# Altium PCB Universal_PCB.PcbDoc (part 1 of 3) (continued)
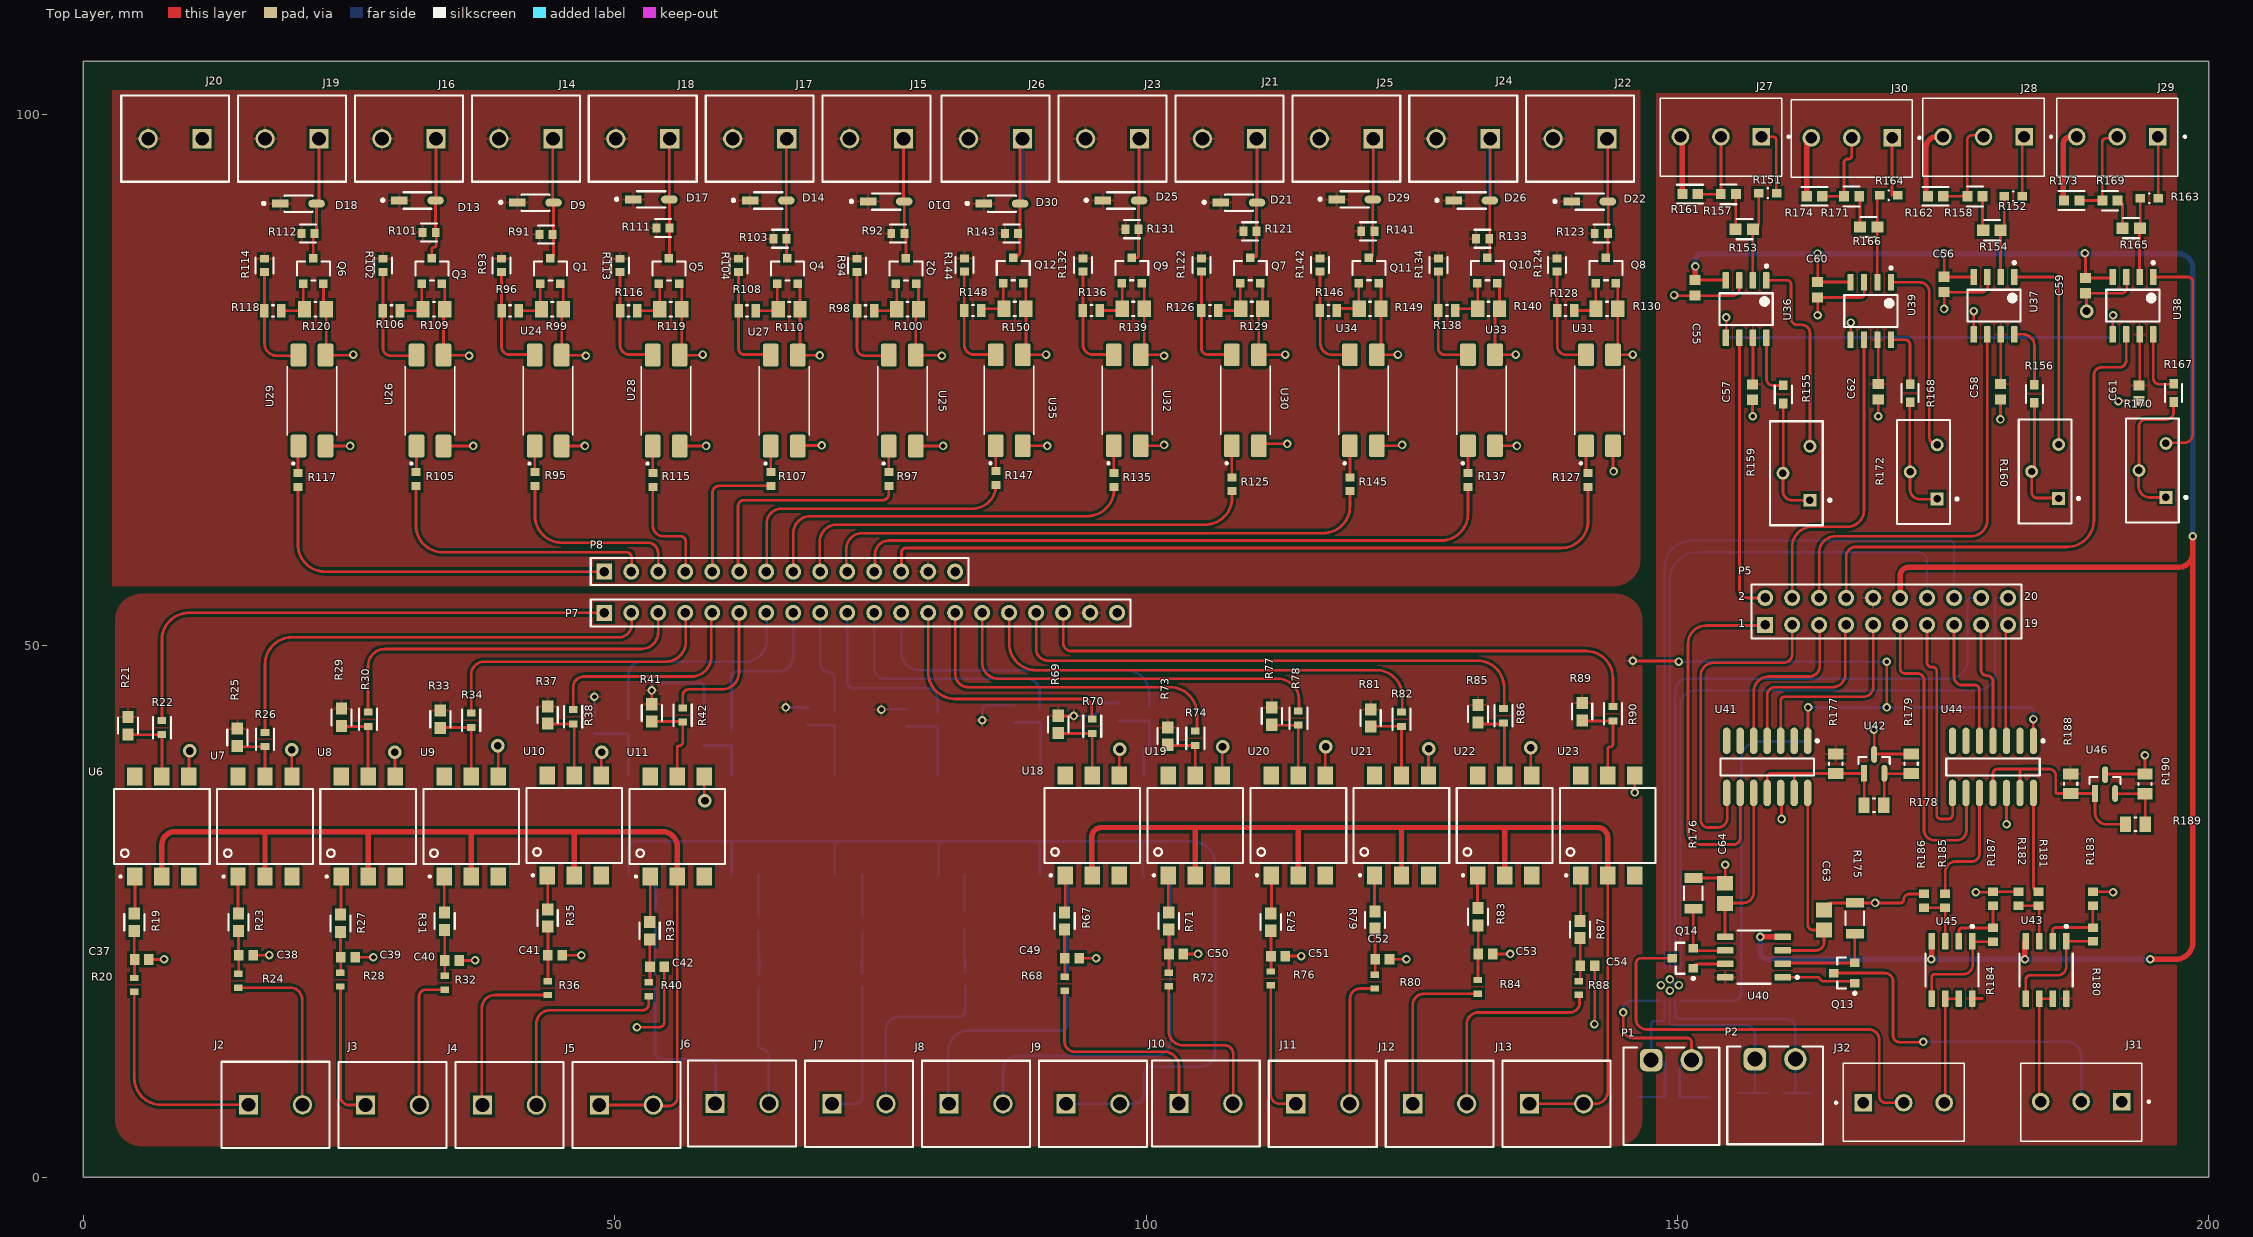
[diagram p0: Top Layer view]
## Components (designator, comment, footprint, x,y, rotation, side; value= is the part's Value field where it differs from the comment) (continued)
R82 "RC0603FR-071KL" FP-RC0603-0_55-IPC_C 124.04,43.1 r90 top
R83 "CRCW06033K00FKEA" FP-CRCW0603-e3-IPC_A 131.24,24.5 r90 top
R84 "RT0603DRE071KL" RESC1608X55X25LL10T15 131.24,17.9 r90 top value=1k
R85 "CRCW06033K00FKEA" FP-CRCW0603-e3-IPC_A 131.24,43.6 r90 top
R86 "RC0603FR-071KL" FP-RC0603-0_55-IPC_C 133.64,43.423 r90 top
R87 "CRCW06033K00FKEA" FP-CRCW0603-e3-IPC_A 140.84,23.3 r90 top
R88 "RT0603DRE071KL" RESC1608X55X25LL10T15 140.74,17.8 r90 top value=1k
R89 "CRCW06033K00FKEA" FP-CRCW0603-e3-IPC_A 141.04,43.8 r90 top
R90 "RC0603FR-071KL" FP-RC0603-0_55-IPC_C 143.94,43.6 r90 top
R91 "CRCW06035K10FKEA" FP-CRCW0603-e3-IPC_C 43.55,88.7 r180 top
R92 "CRCW06035K10FKEA" FP-CRCW0603-e3-IPC_C 76.65,88.8 r180 top
R93 "CRCW06035K10FKEA" FP-CRCW0603-e3-IPC_C 39.355,85.8 r90 top
R94 "CRCW06035K10FKEA" FP-CRCW0603-e3-IPC_C 72.814,85.8 r90 top
R95 "ERJ-3EKF2200V" RESC1608X55X30LL15T15 42.5,65.7 r90 top
R96 "RC0805FR-07470RL" RESC2013X60X35LL10T20 40.155,81.522 r0 top
R97 "ERJ-3EKF2200V" RESC1608X55X30LL15T15 75.8,65.7 r90 top
R98 "RC0805FR-07470RL" RESC2013X60X35LL10T20 73.614,81.522 r0 top
R99 "CRCW0805100KJNEA" RESC2013X50X30ML20T20 44.137,81.672 r180 top value=100K
R100 "CRCW0805100KJNEA" RESC2013X50X30ML20T20 77.568,81.672 r180 top value=100K
R101 "CRCW06035K10FKEA" FP-CRCW0603-e3-IPC_C 32.55,88.9 r180 top
R102 "CRCW06035K10FKEA" FP-CRCW0603-e3-IPC_C 28.203,85.8 r90 top
R103 "CRCW06035K10FKEA" FP-CRCW0603-e3-IPC_C 65.565,88.3 r180 top
R104 "CRCW06035K10FKEA" FP-CRCW0603-e3-IPC_C 61.661,85.8 r90 top
R105 "ERJ-3EKF2200V" RESC1608X55X30LL15T15 31.3,65.7 r90 top
R106 "RC0805FR-07470RL" RESC2013X60X35LL10T20 29.003,81.522 r0 top
R107 "ERJ-3EKF2200V" RESC1608X55X30LL15T15 64.7,65.7 r90 top
R108 "RC0805FR-07470RL" RESC2013X60X35LL10T20 62.461,81.522 r0 top
R109 "CRCW0805100KJNEA" RESC2013X50X30ML20T20 32.994,81.672 r180 top value=100K
R110 "CRCW0805100KJNEA" RESC2013X50X30ML20T20 66.425,81.672 r180 top value=100K
R111 "CRCW06035K10FKEA" FP-CRCW0603-e3-IPC_C 54.55,89.3 r180 top
R112 "CRCW06035K10FKEA" FP-CRCW0603-e3-IPC_C 21.15,88.8 r180 top
R113 "CRCW06035K10FKEA" FP-CRCW0603-e3-IPC_C 50.508,85.8 r90 top
R114 "CRCW06035K10FKEA" FP-CRCW0603-e3-IPC_C 17.05,85.8 r90 top
R115 "ERJ-3EKF2200V" RESC1608X55X30LL15T15 53.6,65.6 r90 top
R116 "RC0805FR-07470RL" RESC2013X60X35LL10T20 51.308,81.522 r0 top
R117 "ERJ-3EKF2200V" RESC1608X55X30LL15T15 20.2,65.6 r90 top
R118 "RC0805FR-07470RL" RESC2013X60X35LL10T20 17.85,81.522 r0 top
R119 "CRCW0805100KJNEA" RESC2013X50X30ML20T20 55.281,81.672 r180 top value=100K
R120 "CRCW0805100KJNEA" RESC2013X50X30ML20T20 21.85,81.672 r180 top value=100K
R121 "CRCW06035K10FKEA" FP-CRCW0603-e3-IPC_C 109.79,89 r180 top
R122 "CRCW06035K10FKEA" FP-CRCW0603-e3-IPC_C 105.217,85.828 r90 top
R123 "CRCW06035K10FKEA" FP-CRCW0603-e3-IPC_C 142.85,88.8 r180 top
R124 "CRCW06035K10FKEA" FP-CRCW0603-e3-IPC_C 138.675,85.828 r90 top
R125 "ERJ-3EKF2200V" RESC1608X55X30LL15T15 108.1,65.2 r90 top
R126 "RC0805FR-07470RL" RESC2013X60X35LL10T20 106.017,81.55 r0 top
R127 "ERJ-3EKF2200V" RESC1608X55X30LL15T15 141.6,65.6 r90 top
R128 "RC0805FR-07470RL" RESC2013X60X35LL10T20 139.475,81.55 r0 top
R129 "CRCW0805100KJNEA" RESC2013X50X30ML20T20 109.944,81.7 r180 top value=100K
R130 "CRCW0805100KJNEA" RESC2013X50X30ML20T20 143.375,81.7 r180 top value=100K
R131 "CRCW06035K10FKEA" FP-CRCW0603-e3-IPC_C 98.675,89.2 r180 top
R132 "CRCW06035K10FKEA" FP-CRCW0603-e3-IPC_C 94.064,85.828 r90 top
R133 "CRCW06035K10FKEA" FP-CRCW0603-e3-IPC_C 131.675,88.3 r180 top
R134 "CRCW06035K10FKEA" FP-CRCW0603-e3-IPC_C 127.522,85.828 r90 top
R135 "ERJ-3EKF2200V" RESC1608X55X30LL15T15 97,65.6 r90 top
R136 "RC0805FR-07470RL" RESC2013X60X35LL10T20 94.864,81.55 r0 top
R137 "ERJ-3EKF2200V" RESC1608X55X30LL15T15 130.3,65.6 r90 top
R138 "RC0805FR-07470RL" RESC2013X60X35LL10T20 128.322,81.55 r0 top
R139 "CRCW0805100KJNEA" RESC2013X50X30ML20T20 98.8,81.7 r180 top value=100K
R140 "CRCW0805100KJNEA" RESC2013X50X30ML20T20 132.231,81.7 r180 top value=100K
R141 "CRCW06035K10FKEA" FP-CRCW0603-e3-IPC_C 120.875,89 r180 top
R142 "CRCW06035K10FKEA" FP-CRCW0603-e3-IPC_C 116.37,85.828 r90 top
R143 "CRCW06035K10FKEA" FP-CRCW0603-e3-IPC_C 87.35,88.8 r180 top
R144 "CRCW06035K10FKEA" FP-CRCW0603-e3-IPC_C 82.911,85.828 r90 top
R145 "ERJ-3EKF2200V" RESC1608X55X30LL15T15 119.2,65.2 r90 top
R146 "RC0805FR-07470RL" RESC2013X60X35LL10T20 117.17,81.55 r0 top
R147 "ERJ-3EKF2200V" RESC1608X55X30LL15T15 85.9,65.8 r90 top
R148 "RC0805FR-07470RL" RESC2013X60X35LL10T20 83.711,81.55 r0 top
R149 "CRCW0805100KJNEA" RESC2013X50X30ML20T20 121.088,81.7 r180 top value=100K
R150 "CRCW0805100KJNEA" RESC2013X50X30ML20T20 87.657,81.7 r180 top value=100K
R151 "RC0603FR-07100KL" FP-RC0603-0_55-MFG 158.5,92.6 r180 top
R152 "RC0603FR-07100KL" FP-RC0603-0_55-MFG 181.6,92.3 r180 top
R153 "CRCW060350R0FKEA" FP-CRCW0603-e3-IPC_A 156.3,89.2 r0 top
R154 "CRCW060350R0FKEA" FP-CRCW0603-e3-IPC_A 179.6,89.1 r0 top
R155 "RT0603DRE07560RL" FP-RT0603-MFG 159.975,73.65 r270 top value=560Ω
R156 "RT0603DRE07560RL" FP-RT0603-MFG 183.6,73.7 r270 top value=560Ω
R157 "CRCW06034K12FKEA" FP-CRCW0603-e3-IPC_B 154.8,92.5 r0 top
R158 "CRCW06034K12FKEA" FP-CRCW0603-e3-IPC_B 178,92.3 r0 top
R159 "3296Y-1-103LF" FP-3296Y-MFG 161.2,66.235 r0 top
R160 "3296Y-1-103LF" FP-3296Y-MFG 184.6,66.4 r0 top
R161 "CRCW060320R0FKEAHP" FP-CRCW0603-HPe3-IPC_B 151.2,92.5 r180 top
R162 "CRCW060320R0FKEAHP" FP-CRCW0603-HPe3-IPC_B 174.3,92.3 r180 top
R163 "RC0603FR-07100KL" FP-RC0603-0_55-MFG 194.4,92.1 r180 top
R164 "RC0603FR-07100KL" FP-RC0603-0_55-MFG 169.9,92.4 r180 top
R165 "CRCW060350R0FKEA" FP-CRCW0603-e3-IPC_A 192.7,89.3 r0 top
R166 "CRCW060350R0FKEA" FP-CRCW0603-e3-IPC_A 168,89.4 r0 top
R167 "RT0603DRE07560RL" FP-RT0603-MFG 196.691,73.789 r270 top value=560Ω
R168 "RT0603DRE07560RL" FP-RT0603-MFG 171.9,73.775 r270 top value=560Ω
R169 "CRCW06034K12FKEA" FP-CRCW0603-e3-IPC_B 190.7,91.9 r0 top
R170 "3296Y-1-103LF" FP-3296Y-MFG 194.7,66.5 r0 top
R171 "CRCW06034K12FKEA" FP-CRCW0603-e3-IPC_B 166.4,92.3 r0 top
R172 "3296Y-1-103LF" FP-3296Y-MFG 173.165,66.36 r0 top
R173 "CRCW060320R0FKEAHP" FP-CRCW0603-HPe3-IPC_B 187.1,91.9 r180 top
R174 "CRCW060320R0FKEAHP" FP-CRCW0603-HPe3-IPC_B 162.9,92.3 r180 top
R175 "TNPW1206250RBEEN07" FP-TNPW1206-e3-MFG 166.7,24.35 r270 top
R176 "TNPW1206250RBEEN07" FP-TNPW1206-e3-MFG 151.5,26.7 r270 top
R177 "CRCW08051K00FKTC" RESC2013X50X30NL20T20 164.9,38.9 r270 top value=1k
R178 "CRCW08051K00FKTC" RESC2013X50X30NL20T20 168.5,35 r180 top value=1k
R179 "CRCW08051K00FKTC" RESC2013X50X30NL20T20 172,38.9 r270 top value=1k
R180 "CRCW060310K0FKEA" RESC1609X50X30NL8T20 189.104,22.832 r90 top
R181 "CRCW060310K0FKEA" RESC1609X50X30NL8T20 184,26.2 r270 top
R182 "CRCW060310K0FKEA" RESC1609X50X30NL8T20 182.1,26.2 r270 top
R183 "CRCW060310K0FKEA" RESC1609X50X30NL8T20 189.1,26.2 r270 top
R184 "CRCW060310K0FKEA" RESC1609X50X30NL8T20 179.7,22.8 r90 top
R185 "CRCW060310K0FKEA" RESC1609X50X30NL8T20 175.2,26 r270 top
R186 "CRCW060310K0FKEA" RESC1609X50X30NL8T20 173.2,26 r270 top
R187 "CRCW060310K0FKEA" RESC1609X50X30NL8T20 179.7,26.2 r270 top
R188 "CRCW08051K00FKTC" RESC2013X50X30NL20T20 187,37.025 r270 top value=1k
R189 "CRCW08051K00FKTC" RESC2013X50X30NL20T20 193.1,33.2 r180 top value=1k
R190 "CRCW08051K00FKTC" RESC2013X50X30NL20T20 194,37 r270 top value=1k
U6 "H11AA1-X007T" SOIC254P1030X460-6N 7.4,32.985 r90 top
U7 "H11AA1-X007T" SOIC254P1030X460-6N 17.1,32.985 r90 top
U8 "H11AA1-X007T" SOIC254P1030X460-6N 26.8,32.985 r90 top
U9 "H11AA1-X007T" SOIC254P1030X460-6N 36.5,32.985 r90 top
U10 "H11AA1-X007T" SOIC254P1030X460-6N 46.2,33.1 r90 top
U11 "H11AA1-X007T" SOIC254P1030X460-6N 55.9,32.985 r90 top
U12 "H11AA1-X007T" SOIC254P1030X460-6N 51.3,33.1 r90 bottom
U13 "H11AA1-X007T" SOIC254P1030X460-6N 61,33.1 r90 bottom
U14 "H11AA1-X007T" SOIC254P1030X460-6N 70.7,33.1 r90 bottom
U15 "H11AA1-X007T" SOIC254P1030X460-6N 80.4,33.1 r90 bottom
U16 "H11AA1-X007T" SOIC254P1030X460-6N 90.1,33.1 r90 bottom
U17 "H11AA1-X007T" SOIC254P1030X460-6N 99.8,33.1 r90 bottom
U18 "H11AA1-X007T" SOIC254P1030X460-6N 94.94,33.1 r90 top
U19 "H11AA1-X007T" SOIC254P1030X460-6N 104.64,33.1 r90 top
U20 "H11AA1-X007T" SOIC254P1030X460-6N 114.34,33.1 r90 top
U21 "H11AA1-X007T" SOIC254P1030X460-6N 124.04,33.1 r90 top
U22 "H11AA1-X007T" SOIC254P1030X460-6N 133.74,33.1 r90 top
U23 "H11AA1-X007T" SOIC254P1030X460-6N 143.44,33.1 r90 top
U24 "PC817X2NIP1B" SOIC254P960X420-4N 43.74,73.072 r90 top
U25 "PC817X2NIP1B" SOIC254P960X420-4N 77.07,73.072 r90 top
U26 "PC817X2NIP1B" SOIC254P960X420-4N 32.63,73.072 r90 top
U27 "PC817X2NIP1B" SOIC254P960X420-4N 65.96,73.072 r90 top
U28 "PC817X2NIP1B" SOIC254P960X420-4N 54.85,73.072 r90 top
U29 "PC817X2NIP1B" SOIC254P960X420-4N 21.52,73.072 r90 top
U30 "PC817X2NIP1B" SOIC254P960X420-4N 109.345,73.1 r90 top
U31 "PC817X2NIP1B" SOIC254P960X420-4N 142.675,73.1 r90 top
U32 "PC817X2NIP1B" SOIC254P960X420-4N 98.235,73.1 r90 top
U33 "PC817X2NIP1B" SOIC254P960X420-4N 131.565,73.1 r90 top
U34 "PC817X2NIP1B" SOIC254P960X420-4N 120.455,73.1 r90 top
U35 "PC817X2NIP1B" SOIC254P960X420-4N 87.125,73.1 r90 top
U36 "INA828ID" FP-D0008A-MFG 156.475,81.675 r270 top
U37 "INA828ID" FP-D0008A-MFG 179.8,82 r270 top
U38 "INA828ID" FP-D0008A-MFG 192.863,82 r270 top
U39 "INA828ID" FP-D0008A-MFG 168.2,81.5 r270 top
U40 "OPA2197IDR" FP-D0008A-MFG 157.2,20.7 r180 top
U41 "MCP4922-E/SL" SOIC-SL14_M 158.45,38.6 r270 top
U42 "LM431AIM3X/NOPB" FP-DBZ0003A-IPC_B 168.522,38.889 r90 top
U43 "OPA2197IDR" FP-D0008A-MFG 184.7,19.5 r270 top
U44 "MCP4922-E/SL" SOIC-SL14_M 179.7,38.6 r270 top
U45 "OPA2197IDR" FP-D0008A-MFG 175.845,19.5 r270 top
U46 "LM431AIM3X/NOPB" FP-DBZ0003A-IPC_B 190.25,36.985 r90 top
U47 "MAX6603ATB+T" MAXM-T1033+1_V 149.3,18.075 r90 bottom

## Footprints (in the part's own frame and the unit in brackets; to place one, negate y for a bottom-side part, rotate by r counter-clockwise, add the part's x,y. Pads: shape width x height; smd on the part's side, far side on the other; paste and mask are expansions set on the pad)
691701340002B [mm] "Horizontal PCB Header THR Type, pitch 3.81mm, 02p"
  rrect50% 2.1x2.1 hole 1.4: 1(-1.905,3.4)
  round 2.1 hole 1.4: 2(1.905,3.4)
  silkscreen extent -4.5,-4.6 4.5,4.6, body extent -4.5,-4.6 4.51,4.6, height 7.4
CAPC1608X87X35NL15T15 [mm] "Chip Capacitor, 2-Leads, Body 1.60x0.80mm, IPC Medium Density"
  rect 0.9x1 smd: 1(-0.675,0) 2(0.675,0)
  body extent -0.87,-0.48 0.87,0.47, height 0.87
CAPC1608X90X35ML10T15 [mm] "Chip Capacitor, 2-Leads, Body 1.7x0.9mm, IPC Low Density"
  rect 0.95x1.05 smd: 1(-0.725,0) 2(0.725,0)
  body extent -0.85,-0.45 0.85,0.45, height 0.9
CAPC1608X92X38ML15T08 [mm] "Chip Capacitor, 2-Leads, Body 1.60x0.80mm, IPC Low Density"
  rect 0.95x1.1 smd: 1(-0.725,0) 2(0.725,0)
  body extent -0.87,-0.48 0.87,0.47, height 0.92
CAPC2013X135X45ML10T25 [mm] "Chip Capacitor, 2-Leads, Body 2.10x1.35mm, IPC Low Density"
  rect 1.4x1.5 smd: 1(-0.95,0) 2(0.95,0)
  body extent -1.05,-0.67 1.05,0.67, height 1.35
FP-0805-L_2_01_0_2-W_1_25-IPC_B [mm]
  rect 1.305x1.456 smd paste+0 mask+0: 1(-0.806,0) 2(0.806,0)
  silkscreen extent -1.46,-1.13 1.46,1.13, body extent -1,-0.63 1,0.63, height 1.4
FP-3296Y-MFG [mm]
  rect 1.2x1.2 hole 0.7 paste-1000 mask+0: 1(1.275,-2.54)
  round 1.2 hole 0.7 paste-1000 mask+0: 2(-1.265,0) 3(1.275,2.54)
  silkscreen extent -2.48,-4.89 3.27,4.89, body extent -2.58,-4.99 2.58,4.99, height 0.25
FP-CRCW0603-e3-IPC_A [mm]
  rect 1.135x1.062 smd paste+0 mask+0: 1(-0.815,0) 2(0.815,0)
  silkscreen extent -0.75,-0.95 0.75,0.95, body extent -1.88,-1.03 1.88,1.03, height 0.25
FP-CRCW0603-e3-IPC_B [mm]
  rect 0.935x0.962 smd paste+0 mask+0: 1(-0.715,0) 2(0.715,0)
  silkscreen extent -0.75,-0.95 0.75,0.9, body extent -1.43,-0.73 1.43,0.73, height 0.25
FP-CRCW0603-e3-IPC_C [mm]
  rect 0.735x0.862 smd paste+0 mask+0: 1(-0.615,0) 2(0.615,0)
  silkscreen extent -0.75,-0.85 0.75,0.85, body extent -1.08,-0.58 1.08,0.58, height 0.25
FP-CRCW0603-HPe3-IPC_B [mm]
  rect 0.958x0.962 smd paste+0 mask+0: 1(-0.727,0) 2(0.727,0)
  silkscreen extent -1.21,-0.88 1.21,0.88, body extent -1.46,-0.73 1.46,0.73, height 0.25
FP-D0008A-MFG [mm]
  rrect17% 1.55x0.6 smd paste+0 mask+0: 1(-2.7,1.905) 2(-2.7,0.635) 3(-2.7,-0.635) 4(-2.7,-1.905) 5(2.7,-1.905) 6(2.7,-0.635) 7(2.7,0.635) 8(2.7,1.905)
  silkscreen extent -4.17,-2.5 1.5,2.5, body extent -3.57,-2.75 3.57,2.75, height 0.25
FP-DBZ0003A-IPC_B [mm]
  rect 1.574x0.572 smd paste+0 mask+0: 1(-0.885,0.95)
  rrect100% 1.574x0.572 smd paste+0 mask+0: 2(-0.885,-0.95) 3(0.885,0)
  silkscreen extent 0,-1.46 0.65,1.46, body extent -1.92,-1.71 1.92,1.71, height 0.25
FP-RC0603-0_55-IPC_C [mm]
  rect 0.659x0.812 smd paste+0 mask+0: 1(-0.677,0) 2(0.677,0)
  silkscreen extent -1.01,-0.85 1.01,0.85, body extent -1.11,-0.55 1.11,0.55, height 0.25
FP-RC0603-0_55-MFG [mm]
  rect 0.9x0.8 smd paste+0 mask+0: 1(-0.85,0) 2(0.85,0)
  silkscreen extent -0.03,-0.45 0.02,0.45, body extent -1.4,-0.55 1.4,0.55, height 0.25
FP-RT0603-MFG [mm]
  rect 0.9x0.8 smd paste+0 mask+0: 1(-0.85,0) 2(0.85,0)
  silkscreen extent -0.85,-0.81 0.86,0.8, body extent -1.4,-0.55 1.4,0.55, height 0.25
FP-SMBJ-MFG [mm]
  rect 2.16x2.26 smd paste+0 mask+0: 1(-2.45,0) 2(2.45,0)
  silkscreen extent -4.25,-1.97 2.37,1.97, body extent -2.7,-1.81 2.7,1.81, height 2.61
FP-SOD123-IPC_A [mm]
  rect 1.557x0.742 smd paste+0 mask+0: 1(-1.7,0)
  rrect100% 1.557x0.742 smd paste+0 mask+0: 2(1.7,0)
  silkscreen extent -3.39,-0.78 1.32,0.77, body extent -2.98,-1.28 2.98,1.28, height 0.25
FP-SOT23-MFG [mm]
  rect 0.8x0.8 smd paste+0 mask+0: 1(-1.2,0.95) 2(-1.2,-0.95) 3(1.2,0)
  silkscreen extent -0.9,-1.55 0.9,1.55, body extent -1.7,-1.78 1.7,1.78, height 0.25
FP-TNPW1206-e3-MFG [mm]
  rect 0.9x1.7 smd paste+0 mask+0: 1(-1.45,0) 2(1.45,0)
  silkscreen extent -0.63,-0.87 0.62,0.87, body extent -2,-0.97 2,0.97, height 0.25
HDR1X14 [mm] "Connector; Header; 14 Position"
  rect 1.5x1.5 hole 0.9: 1(0,0)
  round 1.5 hole 0.9: 2(2.54,0) 3(5.08,0) 4(7.62,0) 5(10.16,0) 6(12.7,0) 7(15.24,0) 8(17.78,0) 9(20.32,0) 10(22.86,0) 11(25.4,0) 12(27.94,0) 13(30.48,0) 14(33.02,0)
  silkscreen extent -1.27,-1.27 34.29,1.27
HDR1X20 [mm] "Connector; Header; 20 Position"
  rect 1.5x1.5 hole 0.9: 1(0,0)
  round 1.5 hole 0.9: 2(2.54,0) 3(5.08,0) 4(7.62,0) 5(10.16,0) 6(12.7,0) 7(15.24,0) 8(17.78,0) 9(20.32,0) 10(22.86,0) 11(25.4,0) 12(27.94,0) 13(30.48,0) 14(33.02,0) 15(35.56,0) 16(38.1,0) 17(40.64,0) 18(43.18,0) 19(45.72,0) 20(48.26,0)
  silkscreen extent -1.27,-1.27 49.53,1.27
HDR2X10 [mm] "Connector; Header; 10x2 Position"
  rect 1.5x1.5 hole 0.9: 1(0,0)
  round 1.5 hole 0.9: 2(0,2.54) 3(2.54,0) 4(2.54,2.54) 5(5.08,0) 6(5.08,2.54) 7(7.62,0) 8(7.62,2.54) 9(10.16,0) 10(10.16,2.54) 11(12.7,0) 12(12.7,2.54) 13(15.24,0) 14(15.24,2.54) 15(17.78,0) 16(17.78,2.54) 17(20.32,0) 18(20.32,2.54) 19(22.86,0) 20(22.86,2.54)
  silkscreen extent -1.27,-1.27 24.13,3.81
MAXM-T1033+1_V [mm] "SON, 10-Leads, Body 3x3mm, Pitch 0.5mm, Thermal Pad 2.35x1.58mm"
  rect 0.7x0.3 smd: 1(-1.475,1) 2(-1.475,0.5) 3(-1.475,0) 4(-1.475,-0.5) 5(-1.475,-1) 6(1.475,-1) 7(1.475,-0.5) 8(1.475,0) 9(1.475,0.5) 10(1.475,1)
  rect 1.58x2.35 smd: 11(0,0)
  silkscreen extent -2.15,-1.7 1.7,1.75, body extent -1.55,-1.55 1.55,1.55, height 0.8
ONSC-SOT-23-3-318-08_V [mm] "SOT23, 3-Leads, Body 2.92x1.3mm, Pitch 0.95mm"
  rect 0.9x0.8 smd: 1(-1,0.95) 2(-1,-0.95) 3(1,0)
  silkscreen extent -1.13,-1.46 0.65,2.02, body extent -0.65,-1.46 0.65,1.46, height 1.11
PHOE-1729128-2_V [mm] "Receptacle, 2-Leads, Body 8.1x10.16mm, Pitch 5.08mm"
  rect 1.8x1.8 hole 1.3: 1(-2.54,0)
  round 1.8 hole 1.3: 2(2.54,0)
  silkscreen extent -5.08,-4.05 5.08,4.05, body extent -5.65,-4.05 5.08,4.05, height 10.01
PHOENIX_1727023 [mm]
  rect 1.65x1.65 / inner round 1.65 / far side rect 1.65x1.65 hole 1.1: 01(1.9,3.6)
  round 1.65 hole 1.1: 02(5.71,3.6) 03(9.52,3.6)
  silkscreen extent -0.75,0 11.42,7.3
RESC1608X55X25LL10T15 [mm] "Chip Resistor, 2-Leads, Body 1.60x0.80mm, IPC High Density"
  rect 0.6x0.8 smd: 1(-0.65,0) 2(0.65,0)
  body extent -0.85,-0.45 0.85,0.45, height 0.55
RESC1608X55X30LL15T15 [mm] "Chip Resistor, 2-Leads, Body 1.75x0.95mm, IPC High Density"
  rect 0.75x0.85 smd: 1(-0.65,0) 2(0.65,0)
  body extent -0.87,-0.48 0.87,0.48, height 0.55
RESC1609X50X30NL8T20 [mm] "Chip Resistor, 2-Leads, Body 1.65x0.95mm, IPC Medium Density"
  rect 0.8x0.95 smd: 1(-0.65,0) 2(0.65,0)
  body extent -0.82,-0.48 0.82,0.48, height 0.5
RESC2013X50X30ML20T20 [mm] "Chip Resistor, 2-Leads, Body 2.00x1.25mm, IPC Low Density"
  rect 1.25x1.55 smd: 1(-1.025,0) 2(1.025,0)
  silkscreen extent -0.1,-0.68 0.1,0.67, body extent -1.1,-0.72 1.1,0.72, height 0.5
RESC2013X50X30NL20T20 [mm] "Chip Resistor, 2-Leads, Body 2.00x1.25mm, IPC Medium Density"
  rect 1.05x1.45 smd: 1(-0.925,0) 2(0.925,0)
  silkscreen extent -0.1,-0.62 0.1,0.62, body extent -1.1,-0.72 1.1,0.72, height 0.5
RESC2013X60X35LL10T20 [mm] "Chip Resistor, 2-Leads, Body 2.1x1.35mm, IPC High Density"
  rect 0.8x1.25 smd: 1(-0.8,0) 2(0.8,0)
  silkscreen extent -0.1,-0.52 0.1,0.52, body extent -1.05,-0.67 1.05,0.68, height 0.6
SOIC254P960X420-4N [mm]
  rrect25% 2.15x1.48 smd: 1(-4.28,1.27) 2(-4.28,-1.27) 3(4.28,-1.27) 4(4.28,1.27)
  silkscreen extent -6.03,-2.33 3.25,2.33, body extent -4.87,-2.29 4.87,2.29, height 4
SOIC254P1030X460-6N [mm]
  rect 1.7x1.45 smd: 1(-4.7,2.54) 2(-4.7,0) 3(-4.7,-2.54) 4(4.7,-2.54) 5(4.7,0) 6(4.7,2.54)
  silkscreen extent -4.8,-4.5 3.52,4.5, body extent -5.15,-4.3 5.15,4.3, height 1.78
SOIC-SL14_M [mm] "SOIC, 14-Leads, Body 8.7x3.9mm, Pitch 1.27mm, IPC Low Density"
  oval 2.5x0.7 smd: 1(-2.45,3.81) 2(-2.45,2.54) 3(-2.45,1.27) 4(-2.45,0) 5(-2.45,-1.27) 6(-2.45,-2.54) 7(-2.45,-3.81) 8(2.45,-3.81) 9(2.45,-2.54) 10(2.45,-1.27) 11(2.45,0) 12(2.45,1.27) 13(2.45,2.54) 14(2.45,3.81)
  silkscreen extent -2.57,-4.4 0.8,4.84, body extent -2,-4.38 2,4.38, height 1.75

## Part data
C37 C38 C39 C40 C41 C42 C43 C44 C45 C46 C47 C48 C49 C50 C51 C52 C53 C54: library part CMP-2006-03843-1, Manufacturer=Kemet, Part Number=C0603T104K3RACTU
C55 C56 C57 C58 C59 C60 C61 C62: library part CMP-2100-03643-1, "Chip Capacitor, 0.1 uF, +/- 10%, 50 V, -55 to 125 degC, 0603 (1608 Metric), RoHS, Tape and Reel", Capacitance=100nF, Case Code (Imperial)=0603, Case Code (Metric)=1608, Dielectric=X7R, Dielectric Material=Ceramic, Insulation Resistance=10GR, Manufacturer=Murata, Max Operating Temperature=125degC, Min Operating Temperature=-55degC, Package Description="2-Pin Surface Mount Device, Body 1.6 x 0.8 mm", Package Quantity=1, Tolerance=10%, Voltage=50V, Case/Package=0603, Contact Plating=Tin, Datasheet URL=http://psearch.en.murata.com/capacitor/product/GRM188R71H104KA93%23.pdf, Datasheet Version=42675.0, Depth=0.8mm, Height=0.8mm, Lead Free=LeadFree, Length=1.6mm, Manufacturer URL=http://www.murata.com/, Material=Ceramic, Mount=SurfaceMount, Number of Pins=2, Package Reference=0603, Packaging=TapeandReel, Radiation Hardening=No, REACH SVHC=NoSVHC, RoHSCompliant=true, Termination=SMD/SMT, Thickness=0.035inch, Voltage Rating=50V, Voltage Rating (DC)=50V, Width=0.8mm
C63 C64: library part CMP-2100-03644-1, "Chip Capacitor, 0.1 uF, +/- 10%, 50 V, -55 to 125 degC, 0805 (2012 Metric), RoHS, Tape and Reel", Capacitance=100nF, Case Code (Imperial)=0805, Case Code (Metric)=2012, Dielectric=X7R, Dielectric Material=Ceramic, Insulation Resistance=10GR, Manufacturer=Murata, Max Operating Temperature=125degC, Min Operating Temperature=-55degC, Package Description="2-Pin Surface Mount Device, Body 2 x 1.25 mm", Package Quantity=1, Tolerance=10%, Voltage=50V, Case/Package=0805, Datasheet URL=http://psearch.en.murata.com/capacitor/product/GRM21BR71H104KA01%23.pdf, Datasheet Version=42675.0, Depth=1.25mm, Height=1.25mm, Lead Free=LeadFree, Length=2mm, Manufacturer URL=http://www.murata.com/, Material=Ceramic, Mount=SurfaceMount, Number of Pins=2, Package Reference=0805, Packaging=TapeandReel, Radiation Hardening=No, REACH SVHC=Unknown, RoHSCompliant=true, Termination=SMD/SMT, Thickness=0.053inch, Voltage Rating=50V, Voltage Rating (DC)=50V, Width=0.049inch
C65 C66 C67 C69 C70 C71: library part CMP-2006-01149-1, Manufacturer=Vitramon, Part Number=VJ0603Y103KXAAP
C68: library part CMP-2007-04172-2, "Automotive Ceramic Capacitor, 0805, 100nF, 10%, X7R, 15%, 100V", Capacitance=100nF, Case Code (Imperial)=0805, Case Code (Metric)=2012, Dielectric=X7R, Dielectric Material=Ceramic, Max Operating Temperature=125°C, Min Operating Temperature=-55°C, Package Quantity=1, Ratings=AEC-Q200, Tolerance=10%, Voltage=100V, Case/Package=0805, Construction=Flat, Depth=1.25mm, Height=1.4mm, Lead Free="Lead Free", Length=2.01mm, Mount="Surface Mount", Number of Pins=2, Packaging="Tape and Reel", Radiation Hardening=No, REACH SVHC="No SVHC", RoHS Compliant=Yes, Series=-, Termination=SMD/SMT, Thickness=0.055inch, Voltage Rating=100V, Voltage Rating (DC)=100V, Width=0.049inch
D9 D10 D13 D14 D17 D18 D21 D22 D25 D26 D29 D30: library part CMP-0303-00003-3, "DIODE SCHOTTKY 40V 1A SOD123", Average Rectified Current=1A, Capacitance=110pF, Case/Package=SOD-123-2, Forward Voltage=450mV, Max Forward Surge Current (Ifsm)=25A, Max Operating Temperature=125°C, Max Power Dissipation=450mW, Max Repetitive Reverse Voltage (Vrrm)=40V, Min Operating Temperature=-65°C, Package Quantity=3000, Peak Reverse Current=50uA, Contact Plating=Tin, Current Rating=1A, Element Configuration=Single, Forward Current=1A, Height=1.25mm, Lead Free="Lead Free", Length=2.85mm, Max Reverse Voltage (DC)=40V, Number of Pins=2, Output Current=1A, Packaging="Tape and Reel", Peak Non-Repetitive Surge Current=25A, Polarity=Standard, Radiation Hardening=No, REACH SVHC="No SVHC", Termination=SMD/SMT, Voltage Rating (DC)=40V, Weight=0.000353oz, Width=1.7mm
D11 D12 D15 D16 D19 D20 D23 D24 D27 D28 D31 D32: library part CMP-2000-07095-2, "TVS DIODE 33V 53.3V DO214AA", Breakdown Voltage=36.7V, Clamping Voltage=53.3V, Manufacturer="Littelfuse Inc", Max Junction Temp=+150°C, Package=SMBJ, Peak Pulse Current=11.3A, Peak Pulse Power=600W, Reverse Standoff Voltage=33V, Temperature="-65°C to +150°C", Temperature Range Low=-65°C, Automotive=No, Category=Diode, ComponentLink2Description=Datasheet, ComponentLink2URL=https://www.littelfuse.com/~/media/electronics/datasheets/tvs_diodes/littelfuse_tvs_diode_smbj_datasheet.pdf.pdf, Device Class L1="Circuit Protection", Device Class L2="TVS Diodes", Device Class L3=unset, Digikey Description="TVS DIODE 33V 53.3V DO214AA", Direction=Unidirectional, Height=2.61mm, Lead Free=Yes, Manufacturer Part Number=SMBJ33A, Mouser Description="TVS DIODE 33V 53.3V DO214AA", Number of Channels=1, Octopart=https://octopart.com/smbj33a-littelfuse-350829, RoHS=TRUE, Temperature Range High=+150°C
J2 J3 J4 J5 J6 J7 J8 J9 J10 J11 J12 J13 J14 J15 J16 J17 J18 J19 J20 J21 J22 J23 J24 J25 J26: library part CMP-2000-05815-1, "PCB Terminal Block, 13.5 A, 400 V, 2-Pin THD, RoHS, Bulk", Current Rating=13500mA, Manufacturer="Phoenix Contact", Package Description="2-Pin Through Hole Device, Body 8.1 x 10.16 mm, Pitch 5.08 mm", Package Reference=1729128-2, Package Version=03/2015, Voltage Rating=400V, Datasheet URL=https://datasheet.ciiva.com/16046/1729128-16046181.pdf, Datasheet Version=12/2013, Manufacturer URL=http://www.phoenixcontact.com/, Mounting Technology=ThroughHole, No. of Positions=2, No. of Rows=1, Orientation=Horizontal, Package URL=https://www.phoenixcontact.com/online/portal/pi/pxc/product_detail_page/!ut/p/b1/3VdJjqNKFDxLH8AFycySyWY2ozFsEPOMMQaDOX1XedGL_1Vdm5YXJleknhSKeBkvI6EA8ncAo3AYoDhBQGco6KN7VURTdemj9us_IEKEZo_YHiPAEWEFmDGOHMORkqKYCORBZxgL7ZoaZYcbFFUZ3fqxSY6GOuxydWUuHqz1ynmMFygu583Bob0Ewr6Sd_l-5m-kAueHiB0jpRwZwe58wwtkpxtMYd_LmGcDRU02dRNEyWt6Y2ti5pSyJ_reIkzIulrqApdnbT11V5jnCKbYNCvhEM1MCpPByat_X379-iThf08CI5GfOPqfBeS3BRoBOdD55AKVv0iLwCMq-2BrzXWSGRH7pUGD9uwXQjiph3xL0DKQwdGa0JImiIOmBNOestqgwTHSSs2oOep-78apyXQBvNi8ZLaFjvjWvcaUEBu0MC6Wbe-d6mB0FAebo2lUWinqYaZs5DAYzV0RP9yitUjnGJ0iI9xhZkT42OCQNUJJhkgWINNQLP2JFP6OpMg3JCVg70jqHT0lvKOnhHf0lPuOnnLf0VPuWx6_dxwUIvwk5WMkT0kLL1mh61l2yZVSzG3pYV_bqo-mj6uMKwKwdnnW8Jh5RTOJzMOA5c-eJDaZQw4mTMPH02PvS_ZAqNVjVTo2WyYLkwH_KU1mmmG5kjRhDqPXLwwVHvVOjCM60-fpXvTDfMGW1PVFVS1r4e4yVDk4ZdNbkUHvqPqQSeian4UD39fNKmachqdJ1NJbyk8rXT9mXTvPk3oE5meulKGgiruPJek-4I9hTT6G8ZLOyRSm2RRVbThERQad5OS28hdt4YW4vG0stgYYzsWsK4_7y6DZMjJSCqri1kyiZR5vD7pwIrNR7QwPHTcLTI5qT7eRlpHrdGiupYlqQDJ7zy_CND8fWWBoLRXxk1RVcXiBQwbTD4Xi7KL-FuO94t9xaqweXzH, Packing=Bulk, PartNumber=1729128, Pitch=5.08mm, RoHS=TRUE
J27 J28 J29 J30 J31 J32: "PCB Terminal Screw 3.81mm 16AWG 200V 13.5A 3 Position COMBICON MKDS Series", Package=None, Check_prices=https://www.snapeda.com/parts/1727023/Phoenix+Contact/view-part/?ref=eda, MF="Phoenix Contact", MP=1727023, SnapEDA_Link=https://www.snapeda.com/parts/1727023/Phoenix+Contact/view-part/?ref=snap
P1 P2: library part CMP-1502-02003-2, Color=Black, Current Rating=10A, Max Operating Temperature=105°C, Min Operating Temperature=-40°C, Voltage Rating=300V, Connector Type="Terminal Block", Contact Gender=Male, Contact Material=Brass, Contact Plating=Tin, Gender=Male, Housing Material=Polymer, Lead Pitch=3.81mm, Length=9.01mm, Mount="Through Hole", NexarPartId=22866719, Number of Contacts=2, Number of Pins=2, Packaging="Tape and Reel", Pitch=3.81mm, REACH SVHC=Unknown, RoHS=Compliant, Termination=PCB
P5: "Header, 10-Pin, Dual row", LatestRevisionDate=17-Jul-2002, LatestRevisionNote="Re-released for DXP Platform.", Publisher="Altium Limited"
P7: "Header, 20-Pin", LatestRevisionDate=17-Jul-2002, LatestRevisionNote="Re-released for DXP Platform.", Publisher="Altium Limited"
P8: "Header, 14-Pin", LatestRevisionDate=17-Jul-2002, LatestRevisionNote="Re-released for DXP Platform.", Publisher="Altium Limited"
Q1 Q2 Q3 Q4 Q5 Q6 Q7 Q8 Q9 Q10 Q11 Q12: library part CMP-83955-000006-1, "MOSFET N-CH 30V 5.7A SOT23", Case/Package=SOT-23, Continuous Drain Current (ID)=5.7A, Drain to Source Voltage (Vdss)=30V, Gate to Source Voltage (Vgs)=12V, Input Capacitance=630pF, Max Operating Temperature=150°C, Max Power Dissipation=1.4W, Min Operating Temperature=-55°C, Lead Free="Lead Free", Mount="Surface Mount", Number of Elements=1, Number of Pins=3, Packaging="Tape and Reel", Power Dissipation=1.4W, Radiation Hardening=No, Rds On Max=26.5mR
Q13 Q14: library part CMP-1048-00538-1, "General Purpose Transistor, NPN Silicon, 3-Pin SOT-23, Pb-Free, Tape and Reel", Manufacturer="On Semiconductor", ComponentLink1Description="Manufacturer URL", ComponentLink1URL=http://www.onsemi.com/, ComponentLink2Description=Datasheet, ComponentLink2URL=http://www.onsemi.cn/pub_link/Collateral/MMBT2222LT1-D.PDF, ComponentLink3Description="Package Specification", ComponentLink3URL=http://www.onsemi.cn/pub_link/Collateral/318-08.PDF, DatasheetVersion="Rev. 10", fT Min (MHz)=300, IC Continuous (A)=0.6, Mounting Technology="Surface Mount", PackageDescription="3-Pin Small Outline Transistor, Body 2.92 x 1.3 mm, Pitch 0.95 mm", PackageReference=SOT-23-3-318-08, PackageVersion="Rev. AP, 11/2009", Packing="Tape and Reel", PartNumber=MMBT2222ALT1G, Polarity=NPN, RoHS=TRUE
R19 R21 R23 R25 R27 R29 R31 R33 R35 R37 R39 R41 R43 R45 R47 R49 R51 R53 R55 R57 R59 R61 R63 R65 R67 R69 R71 R73 R75 R77 R79 R81 R83 R85 R87 R89: library part CMP-2000-03293-2, "RES Thick Film, 3kΩ, 1%, 0.1W, 100ppm/°C, 0603", Case Code (Imperial)=0603, Case Code (Metric)=1608, Max Operating Temperature=155°C, Max Power Dissipation=100mW, Min Operating Temperature=-55°C, Package Quantity=10, Resistance=3kR, Temperature Coefficient=100ppm/°C, Tolerance=1%, Voltage Rating=75V, Case/Package=0603, Composition="Thick Film", Contact Plating=Tin, Depth=0.85mm, Features="Automotive AEC-Q200", Height=0.45mm, Lead Free="Lead Free", Length=1.55mm, Military Standard=Not, Mount="Surface Mount", Number of Terminations=2, Packaging="Tape and Reel", Power Rating=100mW, Radiation Hardening=No, Termination=SMD/SMT, Voltage Rating (DC)=75V, Weight=7.1E-05oz, Width=0.85mm
R20 R24 R28 R32 R36 R40 R44 R48 R52 R56 R60 R64 R68 R72 R76 R80 R84 R88: library part CMP-2000-04615-1, Manufacturer=Yageo, Part Number=RT0603DRE071KL
R22 R26 R30 R34 R38 R42 R46 R50 R54 R58 R62 R66 R70 R74 R78 R82 R86 R90: library part CMP-1659-00009-5, "RES 1K OHM 1% 1/10W 0603", Case Code (Imperial)=0603, Case Code (Metric)=1608, Max Operating Temperature=155°C, Max Power Dissipation=100mW, Min Operating Temperature=-55°C, Resistance=1kR, Resistance Tolerance=1%, Resistor Type="Thick Film", Temperature Coefficient=100ppm/°C, Voltage Rating=50V, Case/Package=0603, Construction=Rectangular, Contact Plating=Tin, Depth=0.8mm, Features="Moisture Resistant", Height=0.45mm, Lead Free="Lead Free", Length=1.6mm, Military Standard=Not, Number of Terminations=2, Packaging="Tape and Reel", Power Rating=100mW, Radiation Hardening=No, REACH SVHC="No SVHC", RoHS Compliant=Yes, Series=RC, Size Code=0603, Technology="THICK FILM", Termination=SMD/SMT, Tolerance=1%
R91 R92 R93 R94 R101 R102 R103 R104 R111 R112 R113 R114 R121 R122 R123 R124 R131 R132 R133 R134 R141 R142 R143 R144: library part CMP-1012-00590-3, "RES Thick Film, 5.1kΩ, 1%, 0.1W, 100ppm/°C, 0603", Case Code (Imperial)=0603, Case Code (Metric)=1608, Max Operating Temperature=155°C, Min Operating Temperature=-55°C, Package Quantity=5000, Power Rating=100mW, Resistance=5.1kR, Temperature Coefficient=100ppm/°C, Tolerance=1%, Voltage Rating=75V, Case/Package=0603, Composition="Thick Film", Contact Plating=Tin, Depth=0.85mm, Height=0.45mm, Lead Free="Lead Free", Length=1.55mm, Military Standard=Not, Mount="Surface Mount", Packaging="Tape and Reel", Radiation Hardening=No, Termination=SMD/SMT, Voltage Rating (DC)=75V, Weight=7.1E-05oz, Width=0.85mm
R95 R97 R105 R107 R115 R117 R125 R127 R135 R137 R145 R147: library part CMP-2000-00335-2, "Chip Resistor, 220 Ohm, +/- 1%, 0.1 W, -55 to 155 degC, 0603 (1608 Metric), RoHS, Tape and Reel", Case Code (Imperial)=0603, Case Code (Metric)=1608, Max Operating Temperature="155 degC", Min Operating Temperature="-55 degC", Package Quantity=5000, Power Rating="100 mW", Resistance="22 Ohm", Tolerance=1%, Voltage Rating="50 V", Case\Package=0603, ComponentLink1Description="Manufacturer URL", ComponentLink1URL=http://www.panasonic.com/, ComponentLink2Description=Datasheet, ComponentLink2URL=http://industrial.panasonic.com/cdbs/www-data/pdf/RDA0000/AOA0000C86.pdf, DatasheetVersion=Apr-15, Height="0.45 mm", Length="1.6 mm", Mount="Surface Mount", PackageDescription="2-Pin Surface Mount Device, Body 1.6 x 0.85 mm", PackageReference=0603, Packaging="Tape and Reel", Pins=2, REACH SVHC="No SVHC", RoHSCompliant=true, Voltage Rating (DC)="50 V", Width="0.8 mm"
R96 R98 R106 R108 R116 R118 R126 R128 R136 R138 R146 R148: library part CMP-2000-06961-1, "Chip Resistor, 470 Ohm, +/- 1%, 125 mW, -55 to 155 degC, 0805 (2012 Metric), RoHS, Tape and Reel", Manufacturer=Yageo, Package Description="2-Pin Surface Mounted Device, Body 2 x 1.25 mm", Package Reference=0805, Power Rating=250mW, Resistance=470ohm, Resistance Tolerance=±1%, Resistor Case Style=0805[2012Metric], Resistor Element Type=ThickFilm, Temperature Coefficient=±100ppm/°C, Voltage Rating=150V, Automotive Qualification Standard=-, Datasheet URL=http://www.yageo.com/documents/recent/PYu-RC_Group_51_RoHS_L_7.pdf, Datasheet Version="Rev. 7, 05/2017", Manufacturer URL=http://www.yageo.com/, Mounting Technology=SurfaceMount, MSL=MSL1-Unlimited, Packaging=Tape&Reel, Product Range=-, SVHC=ToBeAdvised
R99 R100 R109 R110 R119 R120 R129 R130 R139 R140 R149 R150: library part CMP-2001-04900-1, Manufacturer="Vishay Dale", Part Number=CRCW0805100KJNEA
R151 R152 R163 R164: library part CMP-2100-03662-2, "RES SMD 100K OHM 1% 1/10W 0603", Case Code (Imperial)=0603, Case Code (Metric)=1608, Max Operating Temperature=155°C, Max Power Dissipation=100mW, Min Operating Temperature=-55°C, Resistance=100kR, Resistance Tolerance=1%, Resistor Type="Thick Film", Temperature Coefficient=100ppm/°C, Voltage Rating=50V, Working Voltage=75V, Case/Package=0603, Construction=Rectangular, Depth=0.8mm, Features="Moisture Resistant", Height=0.45mm, Lead Free="Lead Free", Length=1.6mm, Military Standard=Not, Number of Pins=2, Number of Terminations=2, Packaging="Tape and Reel", Power Rating=100mW, REACH SVHC="No SVHC", RoHS Compliant=Yes, Series=RC, Technology="THICK FILM", Termination=SMD/SMT, Tolerance=1%, Voltage Rating (DC)=50V, Width=0.8mm
R153 R154 R165 R166: library part CMP-2000-03436-2, "RES Thick Film, 50Ω, 1%, 0.1W, 100ppm/°C, 0603", Case Code (Imperial)=0603, Case Code (Metric)=1608, Max Operating Temperature=155°C, Min Operating Temperature=-55°C, Package Quantity=5000, Power Rating=100mW, Resistance=50R, Temperature Coefficient=100ppm/°C, Tolerance=1%, Voltage Rating=75V, Case/Package=0603, Composition="Thick Film", Contact Plating=Tin, Depth=0.85mm, Height=0.45mm, Lead Free="Lead Free", Length=1.55mm, Military Standard=Not, Mount="Surface Mount", Number of Pins=2, Packaging="Tape and Reel", Radiation Hardening=No, REACH SVHC="No SVHC", Termination=SMD/SMT, Voltage Rating (DC)=75V, Weight=7.1E-05oz, Width=0.85mm
R155 R156 R167 R168: library part CMP-03412-031629-1, "RES SMD 560 OHM 0.5% 1/10W 0603", Manufacturer=Yageo, Package=RT0603, Power Rating=0.1W, Resistance=560Ω, Temperature="-55°C to +155°C", Temperature Coefficient="50 ppm/°C", Temperature Range High=+155°C, Temperature Range Low=-55°C, Tolerance=0.005, Voltage Rating=75V, Automotive=No, Category=Res, ComponentLink2Description=Datasheet, ComponentLink2URL=http://www.yageo.com/documents/recent/PYu-RT_1-to-0.01_RoHS_L_9.pdf, Composition="Thin Film", Device Class L1="Passive Components", Device Class L2=Resistors, Device Class L3="Chip SMD Resistors", Digikey Description="RES SMD 560 OHM 0.5% 1/10W 0603", Footprint Url=http://www.yageo.com/exep/pages/download/literatures/PYu-R_Mount_10.pdf, Height=0.55mm, Ipc Land Pattern Name=RESC16080X45, Lead Free=Yes, Manufacturer Part Number=RT0603DRE07560RL, Octopart=https://octopart.com/rt0603dre07560rl-yageo-1259527, RoHS=TRUE, Series=RT
R157 R158 R169 R171: library part CMP-2000-03403-2, "RES Thick Film, 4.12kΩ, 1%, 0.1W, 100ppm/°C, 0603", Case Code (Imperial)=0603, Case Code (Metric)=1608, Max Operating Temperature=155°C, Max Power Dissipation=100mW, Min Operating Temperature=-55°C, Package Quantity=10, Resistance=4.12kR, Temperature Coefficient=100ppm/°C, Tolerance=1%, Voltage Rating=75V, Case/Package=0603, Composition="Thick Film", Contact Plating=Tin, Depth=0.85mm, Features="Automotive AEC-Q200", Height=0.45mm, Lead Free="Lead Free", Length=1.55mm, Military Standard=Not, Mount="Surface Mount", Number of Pins=2, Number of Terminations=2, Packaging="Tape and Reel", Power Rating=100mW, Radiation Hardening=No, Termination=SMD/SMT, Voltage Rating (DC)=75V, Weight=7.1E-05oz, Width=0.85mm
R159 R160 R170 R172: library part CMP-07234-000015-2, "TRIMMER 10K OHM 0.5W PC PIN TOP", Color=Blue, Insulation Resistance=1GR, Manufacturer Series=3296, Max Operating Temperature=125°C, Max Power Dissipation=500mW, Min Operating Temperature=-55°C, Package Quantity=50, Resistance=10kR, Resistance Law=Linear, Resistance Tolerance=10%, Resistor Type=Cermet, Temperature Coefficient=100ppm/°C, Actuator Orientation=Vertical, Actuator Type=SCREW, Depth=4.83mm, Height=0.395inch, Lead Free="Lead Free", Length=9.53mm, Military Standard=Not, Mount=Panel, Number of Pins=3, Number of Terminals/Pins=3, Number of Turns=25, Packaging=Rail/Tube, Power Rating=500mW, Radiation Hardening=No, REACH SVHC="No SVHC", RoHS Compliant=Yes, Series=3296, Taper=Linear, Technology=CERMET, Terminal Finish=Tin, Termination=Pin, Tolerance=10%, Type=Potentiometer, Weight=0.03oz, Width=9.53mm
R161 R162 R173 R174: library part CMP-2000-03074-2, "RES Thick Film, 20Ω, 1%, 0.33W, 100ppm/°C, 0603", Case Code (Imperial)=0603, Case Code (Metric)=1608, Max Operating Temperature=155°C, Max Power Dissipation=250mW, Min Operating Temperature=-55°C, Package Quantity=10, Resistance=20R, Temperature Coefficient=100ppm/°C, Tolerance=1%, Voltage Rating=75V, Case/Package=0603, Composition="Thick Film", Contact Plating=Tin, Depth=0.85mm, Features="Automotive AEC-Q200", Height=0.45mm, Lead Free="Lead Free", Length=1.6mm, Mount="Surface Mount", Number of Terminations=2, Packaging="Tape and Reel", Power Rating=250mW, Radiation Hardening=No, Termination=Wraparound, Weight=7.1E-05oz, Width=0.033inch
R175 R176: library part CMP-02407-012799-1, "Res Thnflm 1206 250R Ohm 0.1% 1/4W 25PPM/C SMD", Case Code (Imperial)=1206, Case Code (Metric)=3216, Max Operating Temperature=125°C, Min Operating Temperature=-55°C, Package Quantity=5000, Power Rating=250mW, Resistance=250R, Resistor Type="Thin Film", Temperature Coefficient=25ppm/°C, Tolerance=0.1%, Voltage Rating=200V, Case/Package=1206, Contact Plating=Tin, Height=0.55mm, Length=3.2mm, Packaging="Tape and Reel", Series="TNPW e3", Termination=SMD/SMT, Weight=0.000571oz, Width=1.6mm
R177 R178 R179 R188 R189 R190: library part CMP-2001-04268-1, Manufacturer="Vishay Dale", Part Number=CRCW08051K00FKTC
R180 R181 R182 R183 R184 R185 R186 R187: library part CMP-1666-00005-4, "Chip Resistor, 10 KOhm, +/- 1%, 100 mW, -55 to 155 degC, 0603 (1608 Metric), RoHS, Tape and Reel", Manufacturer="Vishay Semiconductor", Max Operating Temperature="155 degC", Min Operating Temperature="-55 degC", Package Quantity=5000, Voltage Rating="75 V", ComponentLink1Description="Manufacturer URL", ComponentLink1URL=http://www.vishay.com/, ComponentLink2Description=Datasheet, ComponentLink2URL=https://datasheet.ciiva.com/11809/0900766b80d98afc-11809037.pdf, DatasheetVersion=06/2012, Height="0.45 mm", Length="1.55 mm", Mounting Technology="Surface Mount", PackageDescription="2-Pin Surface Mount Device, Body 1.575 x 0.85 mm", PackageReference=0603, Packaging="Tape and Reel", REACH SVHC=Unknown, RoHSCompliant=true
U6 U7 U8 U9 U10 U11 U12 U13 U14 U15 U16 U17 U18 U19 U20 U21 U22 U23: "H11AA1 Series Single Channel 30V 5300 Vrms SMT Phototransistor Optocoupler DIP-6", Package="SMD-6 Vishay", Check_prices=https://www.snapeda.com/parts/H11AA1-X007T/Vishay/view-part/?ref=eda, MF="Vishay Semiconductor", MP=H11AA1-X007T, SnapEDA_Link=https://www.snapeda.com/parts/H11AA1-X007T/Vishay/view-part/?ref=snap
U24 U25 U26 U27 U28 U29 U30 U31 U32 U33 U34 U35: "Optocoupler DC-IN 1-CH Transistor DC-OUT 4-Pin DIP SMD T/R", Package="SMD-4 Sharp Microelectronics", Check_prices=https://www.snapeda.com/parts/PC817X2NIP1B/Sharp+Microelectronics/view-part/?ref=eda, MF="Sharp Microelectronics", MP=PC817X2NIP1B, SnapEDA_Link=https://www.snapeda.com/parts/PC817X2NIP1B/Sharp+Microelectronics/view-part/?ref=snap
U36 U37 U38 U39: library part CMP-04895-000184-1, "IC INST AMP 1 CIRCUIT 8SOIC", Max Operating Temperature=125°C, Min Operating Temperature=-40°C, Number of Channels=1, RoHS Compliant=Yes
U40 U43 U45: library part CMP-04895-000044-1, "IC OP AMP GP RR 10MHZ 8-SOIC", Ambient Temperature Range High=+125°C, Ambient Temperature Range Low=-40°C, Input Bias Current=0.000005uA, Input Offset Voltage=0.025mV, Manufacturer="Texas Instruments", Max Dual Supply Voltage=18V, Max Junction Temp=+150°C, Max Supply Voltage=36V, Min Dual Supply Voltage=2.25V, Min Supply Voltage=4.5V, Nominal Supply Current=1mA, Output Current Per Channel=65mA, Package=D0008A, Temperature="-40°C to +125°C", Voltage Gain=134-143dB, Automotive=No, Category=IC, ComponentLink2Description=Datasheet, ComponentLink2URL=http://www.ti.com/lit/ds/symlink/opa2197.pdf, Device Class L1="Integrated Circuits (ICs)", Device Class L2="Linear ICs", Device Class L3="Amplifiers - Op Amps", Digikey Description="IC OP AMP GP RR 10MHZ 8-SOIC", Gain Bandwidth=10MHz, Height=1.75mm, Ipc Land Pattern Name=SOIC127P600X175-8, Lead Free=Yes, Manufacturer Part Number=OPA2197IDR, Number of Channels=2, Octopart=https://octopart.com/opa2197idr-texas+instruments-75179702, RoHS=TRUE, Standoff Height=0.11mm, Temperature Range High=+125°C, Temperature Range Low=-40°C
U41 U44: library part CMP-0188-00496-2, "12-Bit DAC with SPI Interface, 14-Pin SOIC 150mil, Extended Temperature", Code_IPC=SOIC127P600-14, Code_JEDEC=MS-012-AB, ComponentLink1Description="Manufacturer URL", ComponentLink1URL=http://www.microchip.com/, ComponentLink2Description=Datasheet, ComponentLink2URL=http://ww1.microchip.com/downloads/en/DeviceDoc/22250A.pdf, ComponentLink3Description="Package Specification", ComponentLink3URL=http://www.microchip.com/stellent/groups/techpub_sg/documents/packagingspec/en012702.pdf, DatasheetVersion="revA, Apr-2010", PackageDescription="14-Lead Plastic Small Outline (SL) - Narrow, 3.90mm Body [SOIC]", PackageReference=SOIC-SL14, PackageVersion="revBB, Aug-2009", RevisionNote="URLs added. DatasheetVersion updated. Sch updated."
U42 U46: library part CMP-04916-000022-1, "IC VREF SHUNT 37V 2.2% SOT23-3", Case/Package=SOT-23, Cathode Current=1mA, Max Input Voltage=37V, Max Operating Temperature=85°C, Max Output Current=100mA, Min Operating Temperature=-40°C, Package Quantity=3000, Temperature Coefficient=50ppm/°C, Tolerance=2%, Lead Free="Lead Free", Max Output Voltage=37V, Mount="Surface Mount", Number of Channels=1, Number of Pins=3, Output Current=100mA, Output Voltage=37V, Packaging="Tape and Reel", Radiation Hardening=No, Reference Type=Shunt, RoHS Compliant=Yes
U47: library part CMP-0253-00482-1, "2-Channel Platinum RTD-to-Voltage Signal Conditioner, -40 to 125 degC, 10-Pin SON (T1033+1), Pb-Free, Tape and Reel", Generic Part Number=MAX6603, Code_JEDEC=MO229, ComponentLink1Description="Manufacturer URL", ComponentLink1URL=http://www.maximintegrated.com/, ComponentLink2Description=Datasheet, ComponentLink2URL=http://datasheets.maximintegrated.com/en/ds/MAX6603.pdf, ComponentLink3Description="Package Specification", ComponentLink3URL=http://pdfserv.maximintegrated.com/package_dwgs/21-0137.PDF, DatasheetVersion="Rev. 0", Functions="RTD to Voltage Signal Conditioner", Interface=Analog, Mounting Technology="Surface Mount", PackageDescription="10-Pin Plastic Very Very Thin Dual Flatpack No Leads, Exposed Pad (T1033+1), Body 3 x 3 mm, Pitch 0.5 mm", PackageReference=T1033+1, PackageVersion="Rev. J, 08/2009", Packing="Tape and Reel", Parasite Pwr.=No, PartNumber=MAX6603ATB+T

## Via types
v1: diameter 0.8, hole 0.45, Top Layer to Bottom Layer, 83 vias
v2: diameter 1.27, hole 0.711, Top Layer to Bottom Layer, 12 vias

## Nets (pads, with @x,y where several pads share a name; then routed paths per layer and width w, separated by ;. In a path a pad name is that pad's centre, name@x,y a point inside that pad or via, vN(x,y) a via of type N, cw(c..) or ccw(c..) an arc to the next point about the centre after c; other vN are vias at no path point)
+5: C57.2 C58.2 C61.2 C62.2 P5.10 R177.1 R188.1 U36.7 U37.7 U38.7 U39.7 U40.8 U43.8 U45.8 | length 18.5
  Top Layer w0.254: C57.2@157.075,74.6 ccw(c157.075,74.635) 157.11,74.635 U36.7@157.11,78.975 ; U39.7@168.835,78.8 cw(c168.835,78.735) 168.9,78.735 C62.2@168.9,74.625 ; U45.8@177.75,16.808 178.683,16.808 ; C58.2@180.435,74.625 180.435,78.316 U37.7@180.435,79.3 ; U38.7@193.498,78.817 193.516,78.817 C61.2@193.516,74.5